# Altium PCB Main PCB.PcbDoc (part 1 of 3) (continued)
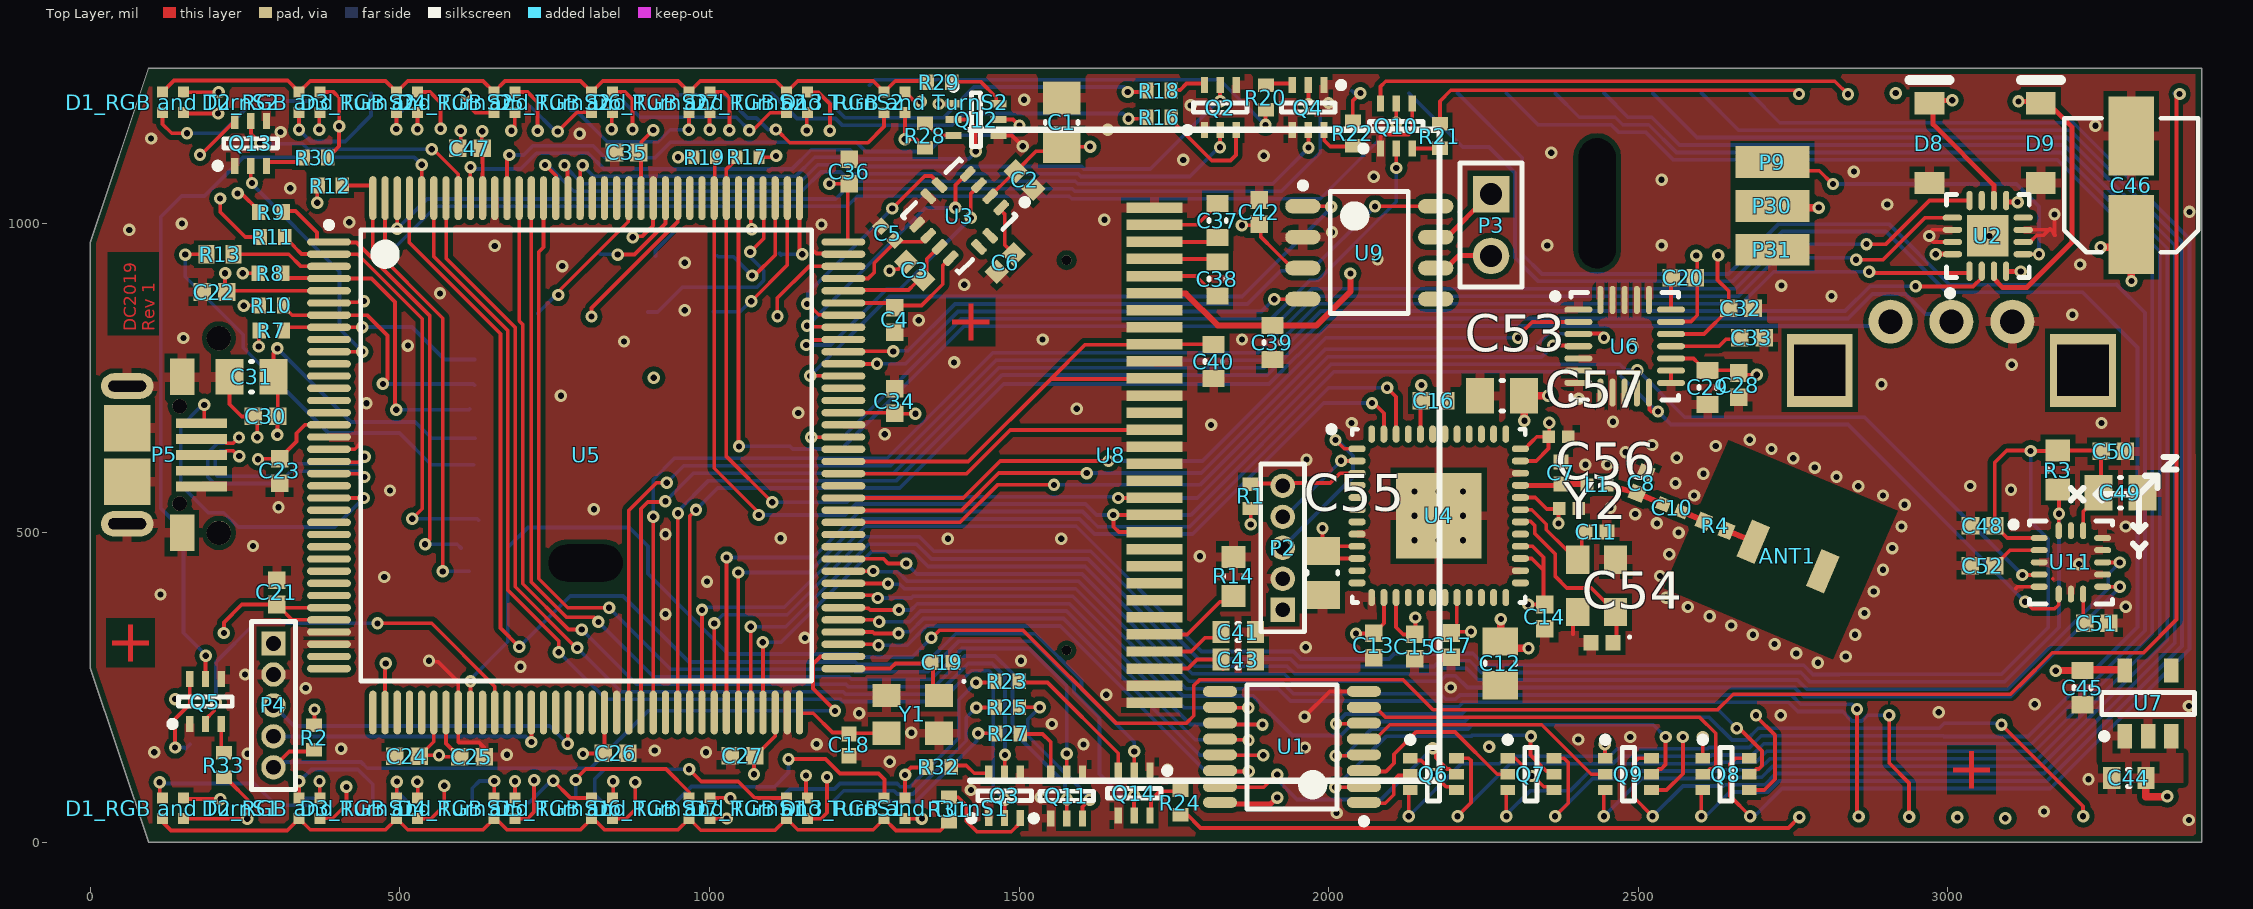
[diagram p0: Top Layer view]
## Components (designator, comment, footprint, x,y, rotation, side; value= is the part's Value field where it differs from the comment) (continued)
C45 "CAP 1uF 6.3V 0603(1608)" CAPC0603(1608)100_L 3217.33,249.66 r90 top value=1uF
C46 "UWR1A101MCL1GB" UWR1A101MCL1GB 3296,1061 r90 top
C47 "CAP 100nF 6.3V 0402(1005)" CAPC0402(1005)60_M 613,1120.73 r0 top value=100nF
C48 "CAP 100nF 6.3V 0402(1005)" CAPC0402(1005)60_M 3056.08,511.46 r0 top value=100nF
C49 "CAP 10uF 10V 0805(2012)" CAPC0805(2012)145_N 3278.57,564.57 r0 top value=10uF
C50 "CAP 100nF 6.3V 0402(1005)" CAPC0402(1005)60_M 3266.93,631.17 r180 top value=100nF
C51 "CAP 100nF 6.3V 0402(1005)" CAPC0402(1005)60_M 3240.26,353.92 r180 top value=100nF
C52 "CAP 100nF 6.3V 0402(1005)" CAPC0402(1005)60_M 3055.84,446.86 r0 top value=100nF
C53 "CAP 10uF 10V 0805(2012)" CAPC0805(2012)145_N 2280,721 r180 top value=10uF
C54 "CAP 33pF 50V 0402(1005)" CAPC0402(1005)60_N 2441.38,322.24 r180 top value=33pF
C55 "CAP 10uF 10V 0805(2012)" CAPC0805(2012)145_N 1990,435 r270 top value=10uF
C56 "CAP 12pF 50V 0402(1005)" CAPC0402(1005)33_L 2388,539 r180 top value=12pF
C57 "CAP 12pF 50V 0402(1005)" CAPC0402(1005)33_L 2371,655 r180 top value=12pF
"D1_RGB and TurnS1" "0402 RGB LED" "0404 RGB LED" 133.53,54.88 r0 top (schematic designator D1)
"D1_RGB and TurnS2" "0402 RGB LED" "0404 RGB LED" 133.53,1194.87 r90 top (schematic designator D1)
"D2_RGB and TurnS1" "0402 RGB LED" "0404 RGB LED" 354,54.88 r0 top (schematic designator D2)
"D2_RGB and TurnS2" "0402 RGB LED" "0404 RGB LED" 354,1194.87 r90 top (schematic designator D2)
"D3_RGB and TurnS1" "0402 RGB LED" "0404 RGB LED" 511.49,54.88 r0 top (schematic designator D3)
"D3_RGB and TurnS2" "0402 RGB LED" "0404 RGB LED" 511.49,1194.87 r90 top (schematic designator D3)
"D4_RGB and TurnS1" "0402 RGB LED" "0404 RGB LED" 668.97,54.88 r0 top (schematic designator D4)
"D4_RGB and TurnS2" "0402 RGB LED" "0404 RGB LED" 668.97,1194.87 r90 top (schematic designator D4)
"D5_RGB and TurnS1" "0402 RGB LED" "0404 RGB LED" 826.45,54.88 r0 top (schematic designator D5)
"D5_RGB and TurnS2" "0402 RGB LED" "0404 RGB LED" 826.45,1194.87 r90 top (schematic designator D5)
"D6_RGB and TurnS1" "0402 RGB LED" "0404 RGB LED" 983.93,54.88 r0 top (schematic designator D6)
"D6_RGB and TurnS2" "0402 RGB LED" "0404 RGB LED" 983.93,1194.87 r90 top (schematic designator D6)
"D7_RGB and TurnS1" "0402 RGB LED" "0404 RGB LED" 1141.41,54.88 r0 top (schematic designator D7)
"D7_RGB and TurnS2" "0402 RGB LED" "0404 RGB LED" 1141.41,1194.87 r90 top (schematic designator D7)
D8 "DSS16UTR" MCC-SOD-123FL_V 2970,1129 r90 top
D9 "DSS16UTR" MCC-SOD-123FL_V 3150,1129 r90 top
"D13_RGB and TurnS1" "0402 RGB LED" "0404 RGB LED" 1298.89,54.88 r0 top (schematic designator D13)
"D13_RGB and TurnS2" "0402 RGB LED" "0404 RGB LED" 1298.89,1194.87 r90 top (schematic designator D13)
L1 "LQP15MN4N7B02D" INDC1005X45X25LL10T10 2433.27,577.18 r0 top
P1 "8p SMD Pads" "8p SMD pad" 374.36,44.54 r90 bottom
P2 "MHDR1X5" MHDR1X5 1925.59,375.49 r90 top
P3 "Header 2" HDR1X2 2262.11,1046.82 r270 top
P4 "MHDR1X5" MHDR1X5 295.84,320.94 r270 top
P5 "SXYZ Micro USB" "SXYZ Micro USB" 59.67,736.74 r270 top locked
P6 "1p SMD Pads" "1p SMD pad"#1 3379.57,1182.24 r90 bottom
P7 "TFP09-2-12B" TFP09-2-12B 414.44,693.6 r90 bottom locked
P8 "1p SMD Pads" "1p SMD pad"#2 3245.31,68.58 r90 top
P9 "1p SMD Pads" "1p SMD pad"#3 3943.44,955.89 r0 top
P10 "8p SMD Pads" "8p SMD pad" 2129.33,1209.8 r90 bottom locked
P11 "8p SMD Pads" "8p SMD pad" 374.53,1209.8 r90 bottom locked
P12 "8p SMD Pads" "8p SMD pad" 2129.36,42.14 r90 bottom
P13 "1p SMD Pads" "1p SMD pad"#4 3304.47,1183.23 r90 bottom
P14 "1p SMD Pads" "1p SMD pad"#5 3503.15,93.52 r90 top
P15 "3p SMD Pads" "3p SMD pad" 1100.27,1209.81 r90 bottom locked
P16 "3p SMD Pads" "3p SMD pad" 1099.67,44.54 r90 bottom
P17 "1p SMD Pads" "1p SMD pad"#6 101.59,73.11 r90 bottom
P18 "1p SMD Pads" "1p SMD pad"#7 3019.06,35 r90 top
P19 "1p SMD Pads" "1p SMD pad"#8 2915.97,42.63 r90 top
P20 "1p SMD Pads" "1p SMD pad"#9 3379.57,68.67 r90 bottom
P21 "1p SMD Pads" "1p SMD pad"#10 225.47,1094.34 r90 bottom
P22 "1p SMD Pads" "1p SMD pad"#11 231.57,1166.84 r90 bottom
P23 "1p SMD Pads" "1p SMD pad"#12 3310.02,69.12 r90 top
P24 "1p SMD Pads" "1p SMD pad"#13 202.77,29.33 r90 bottom
P25 "1p SMD Pads" "1p SMD pad"#14 2373.1,1455.89 r90 bottom
P26 "1p SMD Pads" "1p SMD pad"#15 2050.6,1209.8 r90 top
P27 "1p SMD Pads" "1p SMD pad"#16 2920.22,1207.85 r90 bottom
P28 "1p SMD Pads" "1p SMD pad"#17 2834.7,1210.72 r90 bottom
P29 "1p SMD Pads" "1p SMD pad"#18 3376.14,61.42 r90 top
P30 "1p SMD Pads" "1p SMD pad"#19 3713.46,955.89 r90 top
P31 "1p SMD Pads" "1p SMD pad"#20 3503.48,955.89 r0 top
P32 "1p SMD Pads" "1p SMD pad"#21 3301.04,1259.94 r180 bottom
P33 "1p SMD Pads" "1p SMD pad"#22 157.34,244.83 r90 bottom
Q2 "MUN5235DW1T1G" ONSC-SOT-363-6-419B-02_V 1824.91,1186.37 r90 top
Q3 "MUN5235DW1T1G" ONSC-SOT-363-6-419B-02_V 1476.43,75.07 r90 top
Q4 "MUN5235DW1T1G" ONSC-SOT-363-6-419B-02_V 1966.87,1186.51 r270 top
Q5 "MUN5235DW1T1G" ONSC-SOT-363-6-419B-02_V 186.02,227.22 r90 top
Q6 "DMP2200UDW" DIOD-SOT363-6_V 2168.97,109.98 r0 top
Q7 "DMP2200UDW" DIOD-SOT363-6_V 2326.45,109.98 r0 top
Q8 "DMP2200UDW" DIOD-SOT363-6_V 2641.41,109.98 r0 top
Q9 "DMP2200UDW" DIOD-SOT363-6_V 2483.93,109.98 r0 top
Q10 "MUN5235DW1T1G" ONSC-SOT-363-6-419B-02_V 2109.14,1156.56 r90 top
Q11 "MUN5235DW1T1G" ONSC-SOT-363-6-419B-02_V 1576.88,74.87 r90 top
Q12 "MUN5235DW1T1G" ONSC-SOT-363-6-419B-02_V 1430.41,1167.05 r0 top
Q13 "MUN5235DW1T1G" ONSC-SOT-363-6-419B-02_V 258.92,1128.63 r90 top
Q14 "MUN5235DW1T1G" ONSC-SOT-363-6-419B-02_V 1685.89,79.24 r270 top
R1 "10K 5% 0402(1005)" RESC0402(1005)_N 1873.67,558.72 r270 top value="10000.00 Ohm"
R2 "10K 5% 0402(1005)" RESC0402(1005)_N 361.41,169.04 r90 top value="10000.00 Ohm"
R3 "100K 5% 0603(1608)" RESC0603(1608)_N 3177.53,601.08 r90 top value="100000.00 Ohm"
R4 "Jumper 0402(1005)" RESC0402(1005)_N 2624,511 r338 top value="0.00 Ohm"
R7 "10K 5% 0402(1005)" RESC0402(1005)_N 292.37,826.34 r180 top value="10000.00 Ohm"
R8 "10K 5% 0402(1005)" RESC0402(1005)_N 290.83,918.95 r180 top value="10000.00 Ohm"
R9 "10K 5% 0402(1005)" RESC0402(1005)_N 291.97,1017.74 r180 top value="10000.00 Ohm"
R10 "10K 5% 0402(1005)" RESC0402(1005)_N 292.37,867.05 r180 top value="10000.00 Ohm"
R11 "10K 5% 0402(1005)" RESC0402(1005)_N 294.64,977.41 r180 top value="10000.00 Ohm"
R12 "10K 5% 0402(1005)" RESC0402(1005)_N 387.56,1060.53 r180 top value="10000.00 Ohm"
R13 "22R 5% 0402(1005)" RESC0402(1005)_M 209.5,949.67 r180 top value="22.00 Ohm"
R14 "390K 5% 0603(1608)" RESC0603(1608)_N 1846.27,429.26 r270 top value="390000.00 Ohm"
R16 "14R 1% 0402(1005)" RESC0402(1005)_N 1726.24,1170.76 r180 top value="14.00 Ohm"
R17 "4K7 5% 0402(1005)" RESC0402(1005)_L 1061.96,1106.2 r0 top value="4700.00 Ohm"
R18 "187R 1% 0402(1005)" RESC0402(1005)_N 1726.24,1214 r180 top value="187.00 Ohm"
R19 "4K7 5% 0402(1005)" RESC0402(1005)_L 992.33,1106.2 r180 top value="4700.00 Ohm"
R20 "14R 1% 0402(1005)" RESC0402(1005)_N 1898.47,1202.63 r270 top value="14.00 Ohm"
R21 "14R 1% 0402(1005)" RESC0402(1005)_N 2179.62,1140.52 r90 top value="14.00 Ohm"
R22 "187R 1% 0402(1005)" RESC0402(1005)_N 2039.15,1144.59 r90 top value="187.00 Ohm"
R23 "14R 1% 0402(1005)" RESC0402(1005)_N 1480.44,259.9 r180 top value="14.00 Ohm"
R24 "14R 1% 0402(1005)" RESC0402(1005)_N 1760.6,63.87 r270 top value="14.00 Ohm"
R25 "187R 1% 0402(1005)" RESC0402(1005)_N 1480.92,217.98 r180 top value="187.00 Ohm"
R27 "14R 1% 0402(1005)" RESC0402(1005)_N 1482.28,175.87 r180 top value="14.00 Ohm"
R28 "14R 1% 0402(1005)" RESC0402(1005)_N 1348.21,1141.18 r270 top value="14.00 Ohm"
R29 "187R 1% 0402(1005)" RESC0402(1005)_N 1371.37,1227.34 r180 top value="187.00 Ohm"
R30 "14R 1% 0402(1005)" RESC0402(1005)_N 363.92,1105.8 r0 top value="14.00 Ohm"
R31 "14R 1% 0402(1005)" RESC0402(1005)_N 1386.58,53.11 r270 top value="14.00 Ohm"
R32 "187R 1% 0402(1005)" RESC0402(1005)_N 1370.51,121.76 r180 top value="187.00 Ohm"
R33 "14R 1% 0402(1005)" RESC0402(1005)_N 215.82,124.62 r270 top value="14.00 Ohm"
SW1 "9mm Encoder" "9mm encoder" 3005.61,840.85 r0 bottom locked
TP1 "Test Point" TP#1 1120,879.88 r90 bottom
TP2 "Test Point" TP#2 1045.16,946.95 r90 bottom
TP3 "Test Point" TP#3 1009.3,872.03 r90 bottom
TP4 "Test Point" TP#4 850,943.02 r90 bottom
TP5 "Test Point" TP#5 1107.04,758.56 r90 top
TP6 "Test Point" TP#6 810,850 r90 bottom
TP7 "Test Point" TP#7 889.57,947.86 r90 bottom
TP8 "Test Point" TP#6 710,850 r90 bottom
TP9 "Test Point" TP#6 910,750 r90 bottom
TP10 "Test Point" TP#8 797.12,948.16 r90 bottom
TP11 "Test Point" TP#9 1110,950 r90 top
TP12 "Test Point" TP#9 476.93,289.61 r90 top
U1 "74HC595PW,118" TSOP65P640X110-16N 1940.64,154 r180 top
U2 "MPC17C724EP" QFN50P300X300X85_HS-17N 3064.36,979.17 r90 top
U3 "FXLN8372Q" QFN65P300X300X100-12N 1403.29,1011.29 r225 top
U4 "MKW35Z512" VQFN64R 2177.65,527.16 r0 top
U5 "MK64FN1M0VLQ12" 918-03_N 800.89,624.87 r0 top locked
U6 "FXAS21002CQR1" QFN50P400X400X105-24N 2477.92,800.99 r0 top
U7 "AP7366-33W5-7" SOT95P280X145-5N 3323.17,224.32 r90 top
U8 "0.96\" B/Y OLED" "0.96\" B/Y OLED" 1718.43,1024.6 r270 top locked
U9 "TJA1057T/1Z" SOIC127P600X175-8N 2065.5,952.28 r0 top
U11 "FXOS8700CQR1" QFN50P300X300X120-16N 3198.56,451.97 r0 top
Y1 "12MHz Crystal" DFN155P250X80-4N 1328.15,206.62 r270 top
Y2 "12MHZ Crystal" DFN155P250X80-4N 2432.7,413.9 r180 top
? "Fiducial (Cross)" "Fiducial - Cross" 65,322 r0 top
? "Fiducial (Cross)" "Fiducial - Cross" 1422,840 r0 top
? "Fiducial (Cross)" "Fiducial - Cross" 3038,117 r0 top

## Footprints (in the part's own frame and the unit in brackets; to place one, negate y for a bottom-side part, rotate by r counter-clockwise, add the part's x,y. Pads: shape width x height; smd on the part's side, far side on the other; paste and mask are expansions set on the pad)
"0.96\" B/Y OLED" [mm] "0.96\" Blue/Yellow 128x64 OLED SSD1306"
  round 0.4 hole 0.4 unplated: 0(2.15,-3.6) 0(18.15,-3.6)
  rect 0.43x2.3 smd: 1(0,0) 2(0.7,0) 3(1.4,0) 4(2.1,0) 5(2.8,0) 6(3.5,0) 7(4.2,0) 8(4.9,0) 9(5.6,0) 10(6.3,0) 11(7,0) 12(7.7,0) 13(8.4,0) 14(9.1,0) 15(9.8,0) 16(10.5,0) 17(11.2,0) 18(11.9,0) 19(12.6,0) 20(13.3,0) 21(14,0) 22(14.7,0) 23(15.4,0) 24(16.1,0) 25(16.8,0) 26(17.5,0) 27(18.2,0) 28(18.9,0) 29(19.6,0) 30(20.3,0)
  silkscreen extent -3.2,-7.56 23.5,11.7, body extent -3.23,-9.21 23.5,11.75, height 0.25
"1p SMD pad"#1 [mm]
  rect 1.5x1.5 smd: 1(0.7,-6.477)
"1p SMD pad"#2 [mm]
  rect 1.5x1.5 smd far side: 1(-0.671,0.639)
"1p SMD pad"#3 [mm]
  rect 3.02x1.3 smd: 1(-31.163,3.62)
"1p SMD pad"#4 [mm]
  rect 1.5x1.5 smd: 1(0.675,-7.11)
"1p SMD pad"#5 [mm]
  rect 1.5x1.5 smd far side: 1(-1.305,12.427)
"1p SMD pad"#6 [mm]
  rect 1.5x1.5 smd: 1(1.543,1.416)
"1p SMD pad"#7 [mm]
  rect 1.5x1.5 smd far side: 1(0.182,2.131)
"1p SMD pad"#8 [mm]
  rect 1.5x1.5 smd far side: 1(-0.012,1.513)
"1p SMD pad"#9 [mm]
  rect 1.5x1.5 smd: 1(-0.673,-7.288)
"1p SMD pad"#10 [mm]
  rect 1.5x1.5 smd: 1(-0.069,-1.731)
"1p SMD pad"#11 [mm]
  rect 1.5x1.5 smd: 1(0.704,-1.885)
"1p SMD pad"#12 [mm]
  rect 1.5x1.5 smd far side: 1(-0.685,0.283)
"1p SMD pad"#13 [mm]
  rect 1.5x1.5 smd: 1(0.656,-1.154)
"1p SMD pad"#14 [mm]
  rect 1.5x1.5 smd: 1(-6.251,9.809)
"1p SMD pad"#15 [mm]
  rect 1.5x1.5 smd far side: 1(0,0)
"1p SMD pad"#16 [mm]
  rect 1.5x1.5 smd: 1(0.05,-0.088)
"1p SMD pad"#17 [mm]
  rect 1.5x1.5 smd: 1(-0.023,0.084)
"1p SMD pad"#18 [mm]
  rect 1.5x1.5 smd far side: 1(-0.489,15.669)
"1p SMD pad"#19 [mm]
  rect 1.3x3.02 smd: 1(1.82,25.322)
"1p SMD pad"#20 [mm]
  rect 3.02x1.3 smd: 1(-19.988,0.02)
"1p SMD pad"#21 [mm]
  rect 1.5x1.5 smd: 1(-1.497,-1.273)
"1p SMD pad"#22 [mm]
  rect 1.5x1.5 smd: 1(-0.819,0)
"3p SMD pad" [mm]
  rect 1.5x1.5 smd: 1(0,0) 2(0,2) 3(0,4)
"8p SMD pad" [mm]
  rect 1.5x1.5 smd: 1(0,0) 2(0,2) 3(0,4) 4(0,6) 5(0,8) 6(0,10) 7(0,12) 8(0,14)
"9mm encoder" [mm]
  round 1.8 hole 1: 1(-2.5,0) 2(0,0) 3(2.5,0)
  rect 2.7x3 hole 2.1 square: 5(-5.4,2) 5(5.4,2)
  body extent -5.75,-1.63 5.75,4.47, height 12.57
"0404 RGB LED" [mm] "0404 RGB LED"
  rect 0.45x0.45 smd: 1(-0.425,0.425) 2(0.425,0.425) 3(0.425,-0.425) 4(-0.425,-0.425)
  body extent -0.5,-0.5 0.5,0.5, height 0.52
918-03_N [mm] "Thin QFP, 144-Leads, Body 20x20mm, Pitch 0.5mm, IPC Medium Density"
  oval 1.8x0.3 smd: 1(-10.55,8.75) 2(-10.55,8.25) 3(-10.55,7.75) 4(-10.55,7.25) 5(-10.55,6.75) 6(-10.55,6.25) 7(-10.55,5.75) 8(-10.55,5.25) 9(-10.55,4.75) 10(-10.55,4.25) 11(-10.55,3.75) 12(-10.55,3.25) 13(-10.55,2.75) 14(-10.55,2.25) 15(-10.55,1.75) 16(-10.55,1.25) 17(-10.55,0.75) 18(-10.55,0.25) 19(-10.55,-0.25) 20(-10.55,-0.75) 21(-10.55,-1.25) 22(-10.55,-1.75) 23(-10.55,-2.25) 24(-10.55,-2.75) 25(-10.55,-3.25) 26(-10.55,-3.75) 27(-10.55,-4.25) 28(-10.55,-4.75) 29(-10.55,-5.25) 30(-10.55,-5.75) 31(-10.55,-6.25) 32(-10.55,-6.75) 33(-10.55,-7.25) 34(-10.55,-7.75) 35(-10.55,-8.25) 36(-10.55,-8.75) 73(10.55,-8.75) 74(10.55,-8.25) 75(10.55,-7.75) 76(10.55,-7.25) 77(10.55,-6.75) 78(10.55,-6.25) 79(10.55,-5.75) 80(10.55,-5.25) 81(10.55,-4.75) 82(10.55,-4.25) 83(10.55,-3.75) 84(10.55,-3.25) 85(10.55,-2.75) 86(10.55,-2.25) 87(10.55,-1.75) 88(10.55,-1.25) 89(10.55,-0.75) 90(10.55,-0.25) 91(10.55,0.25) 92(10.55,0.75) 93(10.55,1.25) 94(10.55,1.75) 95(10.55,2.25) 96(10.55,2.75) 97(10.55,3.25) 98(10.55,3.75) 99(10.55,4.25) 100(10.55,4.75) 101(10.55,5.25) 102(10.55,5.75) 103(10.55,6.25) 104(10.55,6.75) 105(10.55,7.25) 106(10.55,7.75) 107(10.55,8.25) 108(10.55,8.75)
  oval 0.3x1.8 smd: 37(-8.75,-10.55) 38(-8.25,-10.55) 39(-7.75,-10.55) 40(-7.25,-10.55) 41(-6.75,-10.55) 42(-6.25,-10.55) 43(-5.75,-10.55) 44(-5.25,-10.55) 45(-4.75,-10.55) 46(-4.25,-10.55) 47(-3.75,-10.55) 48(-3.25,-10.55) 49(-2.75,-10.55) 50(-2.25,-10.55) 51(-1.75,-10.55) 52(-1.25,-10.55) 53(-0.75,-10.55) 54(-0.25,-10.55) 55(0.25,-10.55) 56(0.75,-10.55) 57(1.25,-10.55) 58(1.75,-10.55) 59(2.25,-10.55) 60(2.75,-10.55) 61(3.25,-10.55) 62(3.75,-10.55) 63(4.25,-10.55) 64(4.75,-10.55) 65(5.25,-10.55) 66(5.75,-10.55) 67(6.25,-10.55) 68(6.75,-10.55) 69(7.25,-10.55) 70(7.75,-10.55) 71(8.25,-10.55) 72(8.75,-10.55) 109(8.75,10.55) 110(8.25,10.55) 111(7.75,10.55) 112(7.25,10.55) 113(6.75,10.55) 114(6.25,10.55) 115(5.75,10.55) 116(5.25,10.55) 117(4.75,10.55) 118(4.25,10.55) 119(3.75,10.55) 120(3.25,10.55) 121(2.75,10.55) 122(2.25,10.55) 123(1.75,10.55) 124(1.25,10.55) 125(0.75,10.55) 126(0.25,10.55) 127(-0.25,10.55) 128(-0.75,10.55) 129(-1.25,10.55) 130(-1.75,10.55) 131(-2.25,10.55) 132(-2.75,10.55) 133(-3.25,10.55) 134(-3.75,10.55) 135(-4.25,10.55) 136(-4.75,10.55) 137(-5.25,10.55) 138(-5.75,10.55) 139(-6.25,10.55) 140(-6.75,10.55) 141(-7.25,10.55) 142(-7.75,10.55) 143(-8.25,10.55) 144(-8.75,10.55)
  silkscreen extent -10.67,-9.25 9.25,9.57, body extent -10,-10 10,10, height 1.6
CAPC0402(1005)33_L [mm] "Chip Capacitor, Body 1.0x0.5mm, Height 0.33mm, IPC High Density"
  rect 0.52x0.52 smd: 1(-0.4,0) 2(0.4,0)
  body extent -0.55,-0.3 0.55,0.3, height 0.33
CAPC0402(1005)60_L [mm] "Chip Capacitor, Body 1.0x0.5mm, Height 0.6mm, IPC High Density"
  rect 0.52x0.52 smd: 1(-0.4,0) 2(0.4,0)
  body extent -0.55,-0.3 0.55,0.3, height 0.6
CAPC0402(1005)60_M [mm] "Chip Capacitor, Body 1.0x0.5mm, Height 0.6mm, IPC Low Density"
  rect 0.72x0.72 smd: 1(-0.5,0) 2(0.5,0)
  body extent -0.55,-0.3 0.55,0.3, height 0.6
CAPC0402(1005)60_N [mm] "Chip Capacitor, Body 1.0x0.5mm, Height 0.6mm, IPC Medium Density"
  rect 0.62x0.62 smd: 1(-0.45,0) 2(0.45,0)
  body extent -0.55,-0.3 0.55,0.3, height 0.6
CAPC0603(1608)55_L [mm] "Chip Capacitor, Body 1.6x0.8mm, Height 0.55mm, IPC High Density"
  rect 0.7x0.9 smd: 1(-0.7,0) 2(0.7,0)
  silkscreen extent -0.05,-0.35 0.05,0.35, body extent -0.87,-0.47 0.88,0.48, height 0.55
CAPC0603(1608)100_L [mm] "Chip Capacitor, Body 1.6x0.8mm, Height 1.0mm, IPC High Density"
  rect 0.7x0.9 smd: 1(-0.7,0) 2(0.7,0)
  silkscreen extent -0.05,-0.35 0.05,0.35, body extent -0.87,-0.47 0.88,0.48, height 1
CAPC0805(2012)100_N [mm] "Chip Capacitor, Body 2.0x1.2mm, Height 1.0mm, IPC Medium Density"
  rect 1.15x1.45 smd: 1(-0.9,0) 2(0.9,0)
  silkscreen extent -0.05,-0.62 0.05,0.63, body extent -1.1,-0.72 1.1,0.73, height 1
CAPC0805(2012)145_N [mm] "Chip Capacitor, Body 2.0x1.2mm, Height 1.45mm, IPC Medium Density"
  rect 1.15x1.45 smd: 1(-0.9,0) 2(0.9,0)
  silkscreen extent -0.05,-0.62 0.05,0.63, body extent -1.1,-0.72 1.1,0.73, height 1.45
CAPC0805(2012)155_M [mm] "Chip Capacitor, Body 2.0x1.2mm, Height 1.55mm, IPC Low Density"
  rect 1.35x1.55 smd: 1(-1,0) 2(1,0)
  silkscreen extent -0.05,-0.67 0.05,0.67, body extent -1.1,-0.72 1.1,0.72, height 1.55
DFN155P250X80-4N [mm] "DFN, 4-Leads, Body 3.20x2.50mm, Pitch 1.55mm, IPC Medium Density"
  rect 0.95x1.15 smd: 1(-0.775,1.075) 2(-0.775,-1.075) 3(0.775,-1.075) 4(0.775,1.075)
  silkscreen extent -1.4,2.05 -1.3,2.15, body extent -1.35,-1.7 1.35,1.7, height 0.8
DIOD-SOT363-6_V [mm] "SOT23, 6-Leads, Body 1.35x2.20mm, Pitch 0.65mm"
  rect 0.6x0.42 smd: 1(-0.95,0.65) 2(-0.95,0) 3(-0.95,-0.65) 4(0.95,-0.65) 5(0.95,0) 6(0.95,0.65)
  silkscreen extent -1.07,-1.1 0.25,1.53, body extent -1.1,-1.1 1.1,1.1, height 1.07
"Fiducial - Cross" [mil] "Fiducial (Cross)"
  Top Layer region: 30,-4 30,4 -30,4 -30,-4
  Top Layer region: -4,-30 4,-30 4,30 -4,30
  Top Layer pour cut-out: -39.37,39.37 39.37,39.37 39.37,-39.37 -39.37,-39.37
HDR1X2 [mm] "Connector; Header; 2 Position"
  rect 1.5x1.5 hole 0.9: 1(0,0)
  round 1.5 hole 0.9: 2(2.54,0)
  silkscreen extent -1.27,-1.27 3.81,1.27
INDC1005X45X25LL10T10 [mm] "Chip Inductor, 2-Leads, Body 1.1x0.6mm, IPC High Density"
  rect 0.53x0.54 smd: 1(-0.415,0) 2(0.415,0)
  body extent -0.55,-0.3 0.55,0.3, height 0.45
MCC-SOD-123FL_V [mil] "SODFL, 2-Leads, Body 3.1x1.9mm"
  rect 36x48 smd: 1(-64.5,0) 2(64.5,0)
  silkscreen extent 102,-32 102,32, body extent -73,-37 73,37, height 47
MHDR1X5 [mm] "Connector; Header; 5 Position"
  rect 1x1 hole 0.6: 1(0,0)
  round 1 hole 0.6: 2(1.27,0) 3(2.54,0) 4(3.81,0) 5(5.08,0)
  silkscreen extent -0.9,-0.9 5.98,0.9
ONSC-SOT-363-6-419B-02_V [mm] "SOT23, 6-Leads, Body 2x1.25mm, Pitch 0.65mm"
  rect 0.66x0.3 smd: 1(-0.92,0.65) 2(-0.92,0) 3(-0.92,-0.65) 4(0.92,-0.65) 5(0.92,0) 6(0.92,0.65)
  silkscreen extent -1.04,-1.1 0.19,1.47, body extent -0.63,-1 0.63,1, height 1.1
QFN50P300X300X85_HS-17N [mm] "QFN, 16-Leads, Body 3.00x3.00mm, Pitch 0.50mm, Thermal Pad 1.70x1.70mm, IPC Medium Density"
  oval 0.8x0.25 smd: 1(-1.45,0.75) 2(-1.45,0.25) 3(-1.45,-0.25) 4(-1.45,-0.75) 9(1.45,-0.75) 10(1.45,-0.25) 11(1.45,0.25) 12(1.45,0.75)
  oval 0.25x0.8 smd: 5(-0.75,-1.45) 6(-0.25,-1.45) 7(0.25,-1.45) 8(0.75,-1.45) 13(0.75,1.45) 14(0.25,1.45) 15(-0.25,1.45) 16(-0.75,1.45)
  rect 1.7x1.7 smd: 17(0,0)
  silkscreen extent -2.47,-1.7 1.7,1.7, body extent -1.6,-1.6 1.6,1.6, height 0.85
QFN50P300X300X120-16N [mm] "QFN, 16-Leads, Body 3.00x3.00mm, Pitch 0.50mm, IPC Medium Density"
  oval 0.7x0.25 smd: 1(-1.3,1) 2(-1.3,0.5) 3(-1.3,0) 4(-1.3,-0.5) 5(-1.3,-1) 9(1.3,-1) 10(1.3,-0.5) 11(1.3,0) 12(1.3,0.5) 13(1.3,1)
  oval 0.25x0.7 smd: 6(-0.5,-1.3) 7(0,-1.3) 8(0.5,-1.3) 14(0.5,1.3) 15(0,1.3) 16(-0.5,1.3)
  silkscreen extent -2.47,-1.7 4.32,4.32, body extent -1.55,-1.55 1.55,1.55, height 1.2
QFN50P400X400X105-24N [mm] "QFN, 24-Leads, Body 4.00x4.00mm, Pitch 0.50mm, IPC Medium Density"
  oval 1.15x0.25 smd: 1(-1.9,1.5) 2(-1.9,1) 3(-1.9,0.5) 4(-1.9,0) 5(-1.9,-0.5) 6(-1.9,-1) 7(-1.9,-1.5) 13(1.9,-1.5) 14(1.9,-1) 15(1.9,-0.5) 16(1.9,0) 17(1.9,0.5) 18(1.9,1) 19(1.9,1.5)
  oval 0.25x1.15 smd: 8(-1,-1.9) 9(-0.5,-1.9) 10(0,-1.9) 11(0.5,-1.9) 12(1,-1.9) 20(1,1.9) 21(0.5,1.9) 22(0,1.9) 23(-0.5,1.9) 24(-1,1.9)
  silkscreen extent -2.97,-2.2 2.2,2.2, body extent -2.05,-2.05 2.05,2.05, height 1.05
QFN65P300X300X100-12N [mm] "QFN, 12-Leads, Body 3.00x3.00mm, Pitch 0.65mm, IPC Medium Density"
  rrect50% 0.686x0.33 smd paste-0.012 mask+0.076: 1(-1.468,0.975) 2(-1.468,0.325) 3(-1.468,-0.325) 4(-1.468,-0.975) 7(1.468,-0.975) 8(1.468,-0.325) 9(1.468,0.325) 10(1.468,0.975)
  rrect50% 0.33x0.686 smd paste-0.012 mask+0.076: 5(-0.325,-1.468) 6(0.325,-1.468) 11(0.325,1.468) 12(-0.325,1.468)
  silkscreen extent -2.42,-1.65 1.65,1.65, body extent -1.5,-1.5 1.5,1.5, height 1
RESC0402(1005)_L [mm] "Chip Resistor, Body 1.0x0.5mm, IPC High Density"
  rect 0.45x0.55 smd: 1(-0.45,0) 2(0.45,0)
  body extent -0.52,-0.27 0.53,0.28, height 0.4
RESC0402(1005)_M [mm] "Chip Resistor, Body 1.0x0.5mm, IPC Low Density"
  rect 0.65x0.75 smd: 1(-0.55,0) 2(0.55,0)
  body extent -0.52,-0.28 0.53,0.28, height 0.4
RESC0402(1005)_N [mm] "Chip Resistor, Body 1.0x0.5mm, IPC Medium Density"
  rect 0.55x0.65 smd: 1(-0.5,0) 2(0.5,0)
  body extent -0.52,-0.27 0.53,0.28, height 0.4
RESC0603(1608)_N [mm] "Chip Resistor, Body 1.6x0.8mm, IPC Medium Density"
  rect 0.9x1 smd: 1(-0.8,0) 2(0.8,0)
  silkscreen extent -0.05,-0.4 0.05,0.4, body extent -0.85,-0.47 0.85,0.47, height 0.6
RFANT3216120A5T [mm]
  rect 0.8x1.66 smd: 1(0,0) 2(3.1,0)
  body extent 0,-0.65 3.1,0.65, height 1.2
SOIC127P600X175-8N [mm] "SOIC, 8-Leads, Body 4.90x3.90mm, Pitch 1.27mm, IPC Medium Density"
  oval 1.45x0.6 smd: 1(-2.725,1.905) 2(-2.725,0.635) 3(-2.725,-0.635) 4(-2.725,-1.905) 5(2.725,-1.905) 6(2.725,-0.635) 7(2.725,0.635) 8(2.725,1.905)
  silkscreen extent -2.85,-2.5 1.6,2.88, body extent -3,-2.5 3,2.5, height 1.75
SOT95P280X145-5N [mm] "SOT23, 5-Leads, Body 3.40x2.80mm, Pitch 0.95mm, IPC Medium Density"
  rect 1x0.6 smd: 1(-1.35,0.95) 2(-1.35,0) 3(-1.35,-0.95) 4(1.35,-0.95) 5(1.35,0.95)
  silkscreen extent -1.47,-1.9 0.45,1.92, body extent -1.5,-1.9 1.5,1.9, height 1.45
"SXYZ Micro USB" [mm] "Micro USB Connector"
  rect 0.4x2.1 smd: 1(1.525,3.05) 2(2.175,3.05) 3(2.825,3.05) 4(3.475,3.05) 5(4.125,3.05)
  rect 1.5x1 smd: 5(-0.375,2.25) 5(6.025,2.25)
  oval 1.05x2.15 hole 0.45 slot 1.55 at 90 deg: 5(0,0) 5(5.65,0)
  rect 1.9x1.9 smd: 5(1.725,0) 5(3.925,0)
  round 0.6 hole 0.6 unplated: 6(0.825,2.15) 6(4.825,2.15)
  body extent -1.5,-2.75 11.1,2.8, height 2.6
TFP09-2-12B [mm] "Micro SD Card Socket"
  round 1 hole 1 unplated: 0(-4.93,-5.25) 0(3.05,-5.25)
  rect 0.7x1.6 smd: 1(2.25,5.25) 2(1.15,5.25) 3(0.05,5.25) 4(-1.05,5.25) 5(-2.15,5.25) 6(-3.25,5.25) 7(-4.35,5.25) 8(-5.45,5.25) 9(-6.55,5.25)
  rect 1.2x1.4 smd: 10(-7.75,4.75)
  rect 1.6x1.4 smd: 11(6.85,4.75)
  rect 1.2x2.2 smd: 12(-7.75,-4.85) 13(7.75,-4.85)
  silkscreen extent -7.35,-9.25 7.35,-7.25, body extent -8,-11.8 8,6.1, height 1.86
TP#1 [mil] "Test Point"
  round 50 smd: 1(-29.88,-110)
TP#2 [mil] "Test Point"
  round 50 smd: 1(3.05,-35.16)
TP#3 [mil] "Test Point"
  round 50 smd: 1(-22.03,-99.3)
TP#4 [mil] "Test Point"
  round 50 smd: 1(6.98,60)
TP#5 [mil] "Test Point"
  round 50 smd far side: 1(91.44,-2.96)
TP#6 [mil] "Test Point"
  round 50 smd: 1(0,0)
TP#7 [mil] "Test Point"
  round 50 smd: 1(2.14,-79.57)
TP#8 [mil] "Test Point"
  round 50 smd: 1(1.84,-87.12)
TP#9 [mil] "Test Point"
  round 50 smd far side: 1(0,0)
TSOP65P640X110-16N [mm] "TSOP, 16-Leads, Body 5.00x4.40mm, Pitch 0.65mm, IPC Medium Density"
  oval 1.4x0.45 smd: 1(-2.95,2.275) 2(-2.95,1.625) 3(-2.95,0.975) 4(-2.95,0.325) 5(-2.95,-0.325) 6(-2.95,-0.975) 7(-2.95,-1.625) 8(-2.95,-2.275) 9(2.95,-2.275) 10(2.95,-1.625) 11(2.95,-0.975) 12(2.95,-0.325) 13(2.95,0.325) 14(2.95,0.975) 15(2.95,1.625) 16(2.95,2.275)
  silkscreen extent -3.08,-2.55 1.85,3.17, body extent -3.2,-2.55 3.2,2.55, height 1.1
UWR1A101MCL1GB [mm] "Aluminum Electrolytic Capacitor, Body 5.30x5.30x5.40mm, IPC Low Density"
  rect 3.25x1.85 smd: 1(-2.025,0) 2(2.025,0)
  silkscreen extent -2.75,-2.75 2.75,2.75, body extent -2.75,-2.75 2.75,2.75, height 5.4
VQFN64R [mm] "PQFN, 48-Leads, Body 7.00x7.00mm, Pitch 0.50mm, Thermal Pad 3.52x3.52mm, IPC Medium Density"
  oval 0.71x0.28 smd mask+0.1: 1(-3.35,2.75) 2(-3.35,2.25) 3(-3.35,1.75) 4(-3.35,1.25) 5(-3.35,0.75) 6(-3.35,0.25) 7(-3.35,-0.25) 8(-3.35,-0.75) 9(-3.35,-1.25) 10(-3.35,-1.75) 11(-3.35,-2.25) 12(-3.35,-2.75) 25(3.35,-2.75) 26(3.35,-2.25) 27(3.35,-1.75) 28(3.35,-1.25) 29(3.35,-0.75) 30(3.35,-0.25) 31(3.35,0.25) 32(3.35,0.75) 33(3.35,1.25) 34(3.35,1.75) 35(3.35,2.25) 36(3.35,2.75)
  oval 0.28x0.71 smd mask+0.1: 13(-2.75,-3.35) 14(-2.25,-3.35) 15(-1.75,-3.35) 16(-1.25,-3.35) 17(-0.75,-3.35) 18(-0.25,-3.35) 19(0.25,-3.35) 20(0.75,-3.35) 21(1.25,-3.35) 22(1.75,-3.35) 23(2.25,-3.35) 24(2.75,-3.35) 37(2.75,3.35) 38(2.25,3.35) 39(1.75,3.35) 40(1.25,3.35) 41(0.75,3.35) 42(0.25,3.35) 43(-0.25,3.35) 44(-0.75,3.35) 45(-1.25,3.35) 46(-1.75,3.35) 47(-2.25,3.35) 48(-2.75,3.35)
  rect 3.52x3.52 smd paste-3.52 mask-3.52: 49(0,0)
  silkscreen extent -4.52,-3.55 3.55,3.67, body extent -3.55,-3.55 3.55,3.55, height 0.98